# Altium PCB PCB for invertor.PcbDoc (part 1 of 2) (continued)
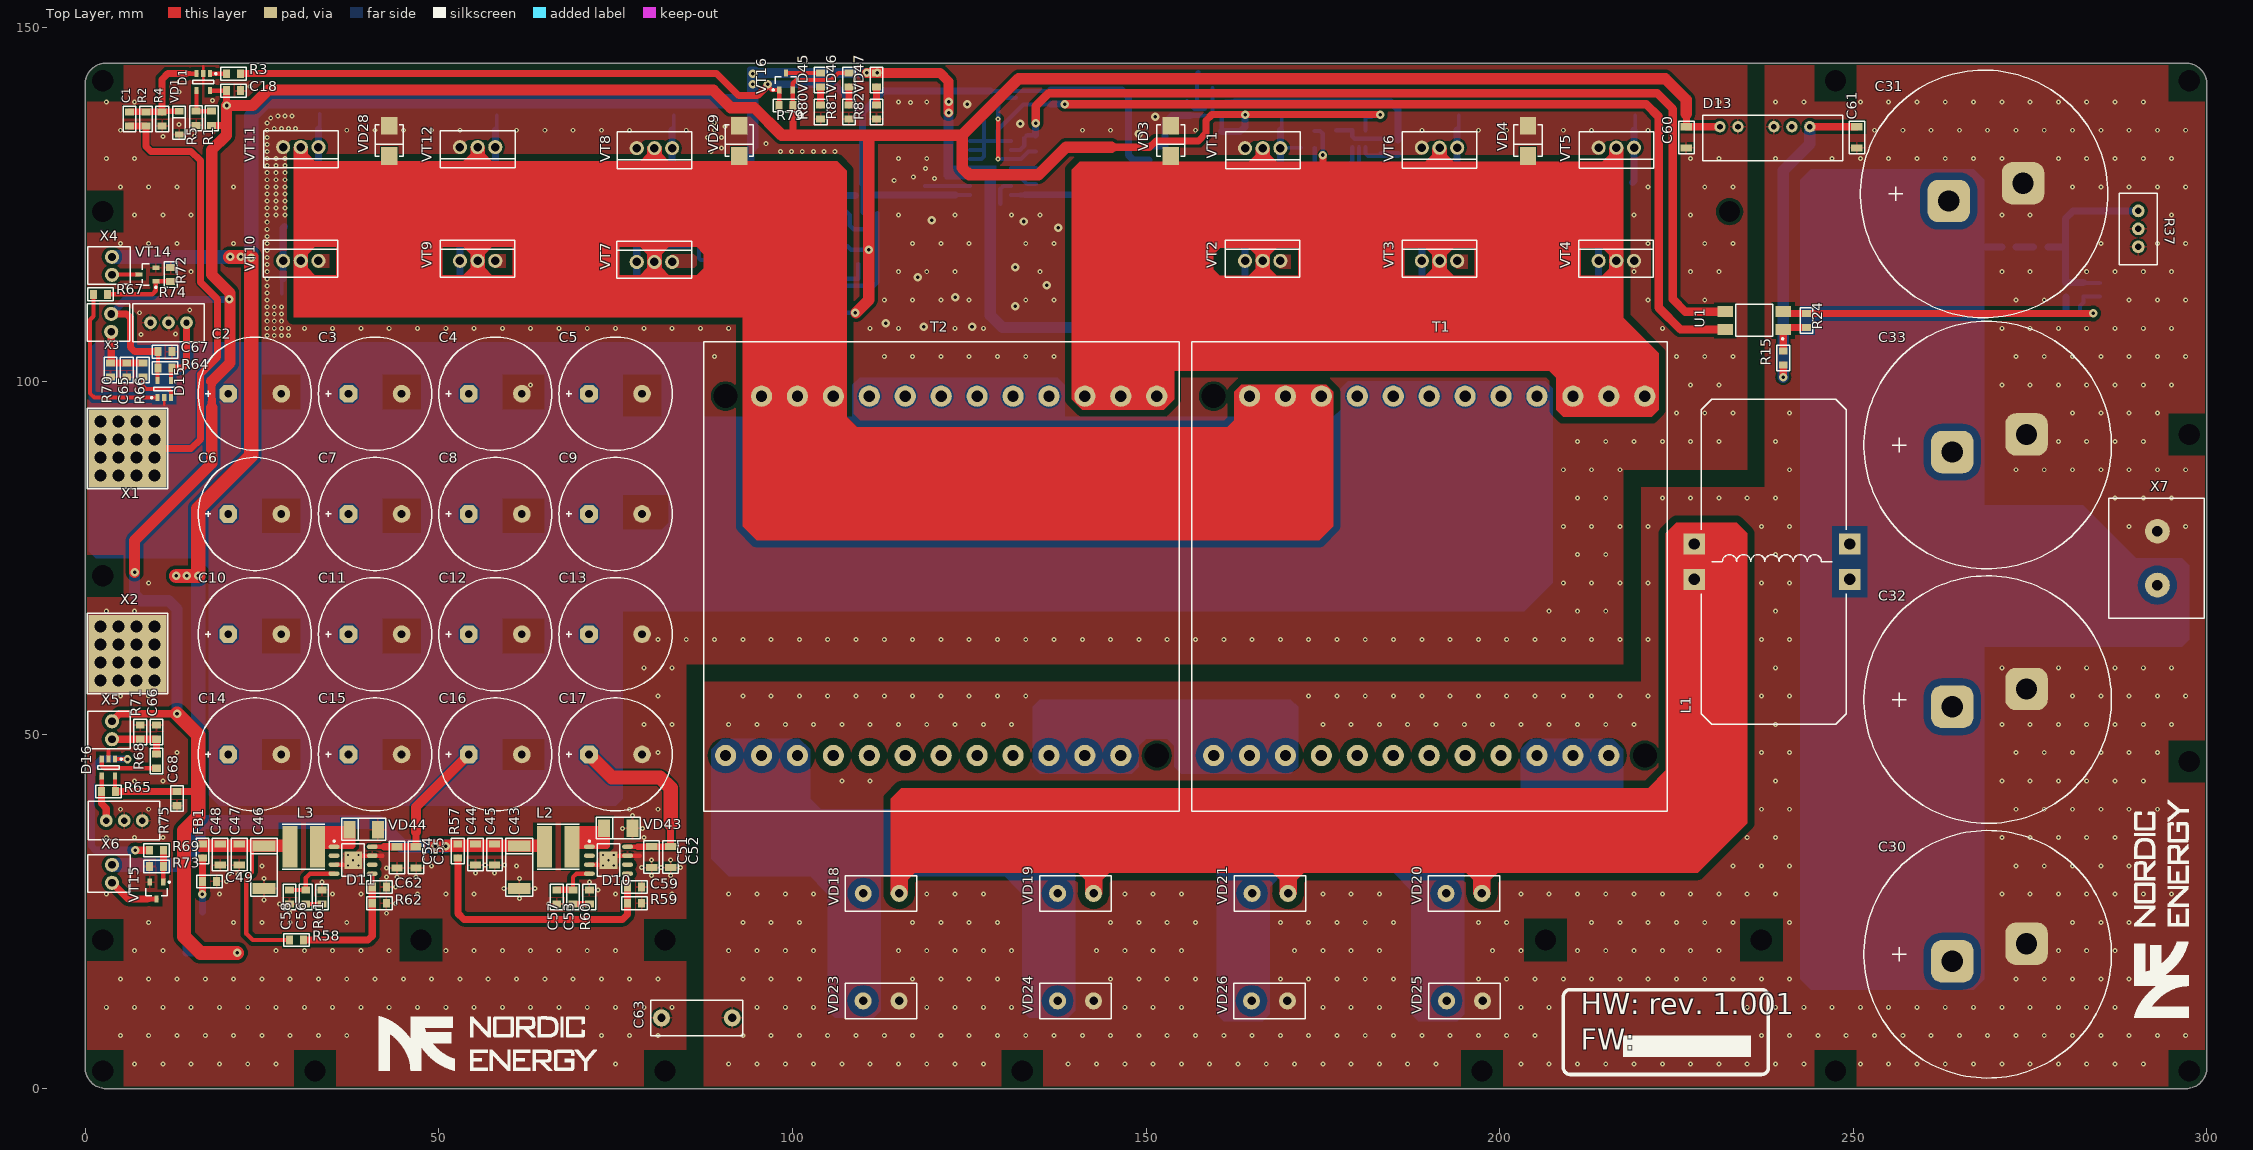
[diagram p0: Top Layer view]
## Components (designator, comment, footprint, x,y, rotation, side; value= is the part's Value field where it differs from the comment) (continued)
R16 "5R1" CH0805R 168,130.5 r180 bottom
R17 "5R1" CH0805R 163,119.5 r180 bottom
R18 "5R1" CH0805R 188,119.5 r180 bottom
R19 "5R1" CH0805R 213,119.4 r180 bottom
R20 "5R1" CH0805R 218,130.5 r180 bottom
R21 "5R1" CH0805R 193,130.5 r180 bottom
R22 "100R" CH0805R 143.4,125.4 r90 bottom
R23 "510k" CH0805R 276.5,119 r0 bottom
R24 "10k" CH0805R 243.4,108.6 r270 top
R25 "10k" CH0805R 148,125.4 r270 bottom
R26 "10k" CH0805R 168,135.5 r0 bottom
R27 "10k" CH0805R 165,114.5 r180 bottom
R28 "10k" CH0805R 190,114.5 r180 bottom
R29 "10k" CH0805R 215,114.5 r180 bottom
R30 "10k" CH0805R 218,135.5 r0 bottom
R31 "10k" CH0805R 193,135.5 r0 bottom
R32 "1k" CH0805R 281.05,109.6 r180 bottom
R33 "13k" CH0805R 109.3,117.6 r90 bottom
R34 "1k" CH0805R 101.2,114.7 r90 bottom
R35 "10k" CH0805R 97.4,114.7 r270 bottom
R36 "10k" CH0805R 281,119 r0 bottom
R37 "10k" "RES: 3296W"#1 290.3,119.02 r90 top
R38 "1k" CH0805R 91.9,119 r0 bottom
R39 "1k" CH0805R 97.4,118.9 r90 bottom
R40 "10k" CH0805R 109.3,113.5 r270 bottom
R41 "100R" CH0805R 111,123.8 r180 bottom
R42 "100R" CH0805R 111,121.5 r0 bottom
R43 "5R1" CH0805R 77,119.5 r180 bottom
R44 "5R1" CH0805R 82,130.5 r180 bottom
R45 "2R2" CH0805R 54,119.5 r0 bottom
R46 "5R1" CH0805R 29,119.5 r0 bottom
R47 "5R1" CH0805R 34,130.5 r0 bottom
R48 "5R1" CH0805R 59,130.5 r0 bottom
R49 "100R" CH0805R 109.9,126.3 r0 bottom
R50 "10k" CH0805R 99,124.375 r90 bottom
R51 "10k" CH0805R 79,114.5 r180 bottom
R52 "10k" CH0805R 82,135.5 r0 bottom
R53 "10k" CH0805R 54,114.5 r180 bottom
R54 "10k" CH0805R 29,114.5 r180 bottom
R55 "10k" CH0805R 32,135.7 r0 bottom
R56 "10k" CH0805R 57,135.5 r0 bottom
R57 "43k" CH0805R 52.7,33.6 r270 top
R58 "20k" CH0805R 29.9,21 r0 top
R59 "4k7" CH0805R 77.7,26.2 r180 top
R60 "4k7" CH0805R 71.3,27.1 r270 top
R61 "4k7" CH0805R 33.5,27.1 r270 top
R62 "4k7" CH0805R 41.6,26.2 r180 top
R63 "10k" CH0805R 136.5,140.2 r90 bottom
R64 "1k" CH0805R 11.3,101.9 r180 top
R65 "1k" CH0805R 3.3,42 r0 top
R66 "1k" CH0805R 8.2,101.6 r90 top
R67 "100R" CH0805R 2.2,112.3 r180 top
R68 "1k" CH0805R 10.1,46.3 r90 top
R69 "100R" CH0805R 10.1,33.7 r180 top
R70 "4k7" CH0805R 3.6,101.6 r90 top
R71 "4k7" CH0805R 7.8,50.4 r270 top
R72 "10k" CH0805R 12.1,115.1 r270 top
R73 "10k" CH0805R 10.1,31.4 r0 top
R74 "10k" "RES: 3296W"#2 9.26,108.3 r0 top
R75 "10k" "RES: 3296W"#1 8.08,37.9 r180 top
R76 "10k" CH0805R 135.4,132.5 r180 bottom
R77 "10k" CH0805R 135.4,127.9 r180 bottom
R78 "4k7" CH0805R 135.4,134.8 r180 bottom
R79 "10k" CH0805R 99.1,139 r180 top
R80 "1k" CH0805R 104,138.1 r270 top
R81 "1k" CH0805R 108,138.1 r270 top
R82 "1k" CH0805R 111.9,138.1 r270 top
R83 "220k" CH2512R 293,61 r270 bottom
T1 "ETD59/31/22" "TRANS: ETD59/31/22" 187.5,72.5 r180 top locked
T2 "ETD59/31/22" "TRANS: ETD59/31/22" 118.5,72.5 r180 top locked
U1 "LTV-817S" 4-SMD 236,108.6 r180 top
VD1 "MMSZ5231B" SOD123 13.3,134.9 r90 top
VD2 "SS24FL" SOD123F 158.6,123.3 r270 bottom
VD3 "SMBJ40A" SMB 153.5,134 r270 top
VD4 "SMBJ40A" SMB 204,134 r270 top
VD5 "SS24FL" SOD123F 167.4,128.1 r180 bottom
VD6 "SS24FL" SOD123F 162.4,121.8 r180 bottom
VD7 "SS24FL" SOD123F 187.4,121.8 r180 bottom
VD8 "SS24FL" SOD123F 212.4,121.7 r180 bottom
VD9 "SS24FL" SOD123F 217.4,128.1 r180 bottom
VD10 "SS24FL" SOD123F 192.4,128.1 r180 bottom
VD11 "SD15C-01FT" SOD323 167.9,137.6 r0 bottom
VD12 "SS24FL" SOD123F 161.1,126.7 r270 bottom
VD13 "SD15C" SOD323 165.1,112.4 r180 bottom
VD14 "SD15C" SOD323 190.1,112.4 r180 bottom
VD15 "SD15C" SOD323 215.1,112.4 r180 bottom
VD16 "SD15C" SOD323 217.9,137.6 r0 bottom
VD17 "SD15C" SOD323 192.9,137.6 r0 bottom
VD18 "HFA15TB60PBF" TO220-2 115.1,27.6 r180 top
VD19 "HFA15TB60PBF" TO220-2 142.58,27.6 r180 top
VD20 "HFA15TB60PBF" TO220-2 197.5,27.6 r180 top
VD21 "HFA15TB60PBF" TO220-2 170.08,27.6 r180 top
VD22 "TL431AIDBZR" SOT23_132#1 286.05,112.95 r0 bottom
VD23 "HFA15TB60PBF" TO220-2 110,12.4 r0 top
VD24 "HFA15TB60PBF" TO220-2 137.5,12.4 r0 top
VD25 "HFA15TB60PBF" TO220-2 192.5,12.4 r0 top
VD26 "HFA15TB60PBF" TO220-2 164.92,12.4 r0 top
VD27 "SS24FL" SOD123F 89,126.7 r90 bottom
VD28 "SMBJ40A" SMB 43,134 r270 top
VD29 "SMBJ40A" SMB 92.5,134 r270 top
VD30 "SS24FL" SOD123F 76.4,121.8 r180 bottom
VD31 "SS24FL" SOD123F 81.4,128.1 r180 bottom
VD32 "SS24FL" SOD123F 54.6,121.9 r0 bottom
VD33 "SS24FL" SOD123F 29.6,121.9 r0 bottom
VD34 "SS24FL" SOD123F 34.6,128.2 r0 bottom
VD35 "SS24FL" SOD123F 59.6,128.2 r0 bottom
VD36 "SD15C-01FT" SOD323 79.1,112.4 r180 bottom
VD37 "SS24FL" SOD123F 86,123.3 r90 bottom
VD38 "SD15C" SOD323 81.9,137.6 r0 bottom
VD39 "SD15C" SOD323 54.1,112.4 r180 bottom
VD40 "SD15C" SOD323 29.1,112.4 r180 bottom
VD41 "SD15C" SOD323 31.9,137.8 r0 bottom
VD42 "SD15C" SOD323 56.9,137.6 r0 bottom
VD43 "STPS2L60A" SMA 75.4,36.8 r180 top
VD44 "STPS2L60A" SMA 39.4,36.6 r180 top
VD45 "RED" CH0805LR 104,142.6 r270 top
VD46 "GREEN" CH0805LR 108,142.6 r270 top
VD47 "GREEN" CH0805LR 111.9,142.6 r270 top
VT1 "IPP083N10N5" TO220_123 166.5,132.969 r180 top locked
VT2 "IPP083N10N5" TO220_123 166.5,117.031 r0 top locked
VT3 "IPP083N10N5" TO220_123 191.5,117.031 r0 top locked
VT4 "IPP083N10N5" TO220_123 216.5,117.031 r0 top locked
VT5 "IPP083N10N5" TO220_123 216.5,133.031 r180 top locked
VT6 "IPP083N10N5" TO220_123 191.5,133.031 r180 top locked
VT7 "IPP083N10N5" TO220_123 80.5,116.881 r0 top locked
VT8 "IPP083N10N5" TO220_123 80.5,132.969 r180 top locked
VT9 "IPP083N10N5" TO220_123 55.5,117.031 r0 top locked
VT10 "IPP083N10N5" TO220_123 30.5,117.031 r0 top locked
VT11 "IPP083N10N5" TO220_123 30.5,133.119 r180 top locked
VT12 "IPP083N10N5" TO220_123 55.5,133.119 r180 top locked
VT13 "BC857BLT1G" SOT23_132#1 132.8,140.1 r180 bottom
VT14 "IRLML0030TRPBF" SOT23_123 8.8,115.1 r180 top
VT15 "IRLML0030TRPBF" SOT23_123 10.1,28 r270 top
VT16 "BC857BLT1G" SOT23_132#2 99.1,142.4 r90 top
X1 "\"Вход +24В\"" "CON: 7461383" 6,90.5 r0 top
X2 "\"Вход -24В\"" "CON: 7461383" 6,61.5 r0 top
X3 "\"Temp №1\"" "CON: WF-02" 3.7,109.54 r270 top
X4 "\"Вентилятор №1\"" "CON: WF-02" 3.8,117.6 r270 top
X5 "\"Temp №2\"" "CON: WF-02" 3.8,51.94 r270 top
X6 "\"Вентилятор №2\"" "CON: WF-02" 3.8,31.64 r270 top
X7 "\"Выход 380В\"" "CON: X977B02" 293,75 r90 top

## Footprints (in the part's own frame and the unit in brackets; to place one, negate y for a bottom-side part, rotate by r counter-clockwise, add the part's x,y. Pads: shape width x height; smd on the part's side, far side on the other; paste and mask are expansions set on the pad)
4-SMD [mm] "SOIC, 4-Leads, Body 4,60x6,50mm, Pitch 1,27mm, IPC Medium Density"
  rect 2.2x1.6 smd: 1(-4.1,1.27) 2(-4.1,-1.27) 3(4.1,-1.27) 4(4.1,1.27)
  round 0.5 on Mech1: 1(-2.1,1.7)
  silkscreen extent -4.13,-2.3 2.6,2.72, body extent -5,-2.29 5,2.29, height 3.85
8-SOIC [mm]
  rrect100% 1.55x0.6 smd: 1(-2.7,1.905) 2(-2.7,0.635) 3(-2.7,-0.635) 4(-2.7,-1.905) 5(2.7,-1.905) 6(2.7,-0.635) 7(2.7,0.635) 8(2.7,1.905)
  round 0.7 on Mech2: 28(-2.395,1.8)
  silkscreen extent -2.82,-2.3 1.61,2.82, body extent -3,-2.45 3,2.45, height 1.75
"8-SOIC (PAD)" [mm]
  round 0.7 hole 0.3: 0(-0.75,-0.75) 0(-0.75,0.75) 0(0,0) 0(0.75,-0.75) 0(0.75,0.75)
  rrect100% 1.55x0.6 smd: 1(-2.7,1.905) 2(-2.7,0.635) 3(-2.7,-0.635) 4(-2.7,-1.905) 5(2.7,-1.905) 6(2.7,-0.635) 7(2.7,0.635) 8(2.7,1.905)
  round 0.7 on Mech1: 28(-2.395,1.8)
  rect 2.5x2.5 smd: " 0"(0,0)
  silkscreen extent -2.82,-2.3 1.61,2.82, body extent -3,-2.45 3,2.45, height 1.75
16-SOIC [mm]
  oval 1.85x0.6 smd: 1(-2.925,4.448) 2(-2.925,3.178) 3(-2.925,1.908) 4(-2.925,0.638) 5(-2.925,-0.632) 6(-2.925,-1.902) 7(-2.925,-3.172) 8(-2.925,-4.442) 9(2.875,-4.442) 10(2.875,-3.172) 11(2.875,-1.902) 12(2.875,-0.632) 13(2.875,0.638) 14(2.875,1.908) 15(2.875,3.178) 16(2.875,4.448)
  round 0.7 on Bottom Overlay: 10(-2.9,5.4)
  round 0.7 on Mech2: 25(-2.5,4.3)
  silkscreen extent -1.75,-4.9 1.7,4.9, body extent -3.09,-5.01 3.04,4.96, height 1.73
"CAP: B32021" [mm]
  round 2.4 hole 1.2: 1(-5,0) 2(5,0)
  silkscreen extent -6.5,-2.5 6.5,2.5, body extent -6.5,-2.5 6.5,2.5, height 10.7
CH0805C [mm] "Chip Capacitor, 2-Leads, Body 2,00x1,20mm, IPC Medium Density"
  rect 1x1.25 smd: 1(-1,0) 2(1,0)
  silkscreen extent -1.8,-0.9 1.8,0.9, body extent -1,-0.62 1,0.63, height 0.78
CH0805L [mm]
  rect 1x1.25 smd: 1(-1,0) 2(1,0)
  silkscreen extent -1.8,-0.9 1.8,0.9, body extent -1,-0.62 1,0.63, height 0.85
CH0805LR [mm]
  rect 1x1.25 smd: 1(-1,0) 2(1,0)
  silkscreen extent -1.8,-0.9 1.8,0.9, body extent -1.05,-0.67 1.05,0.68, height 0.9
CH0805R [mm]
  rect 1x1.25 smd: 1(-1,0) 2(1,0)
  silkscreen extent -1.8,-0.9 1.8,0.9, body extent -1,-0.6 1,0.6, height 0.44
CH1206C [mm] "Non polar chip capacitor, size 1206"
  rect 1x1.6 smd: 1(-1.5,0) 2(1.5,0)
  silkscreen extent -2.3,-1.1 2.3,1.1, body extent -1.6,-0.8 1.6,0.8, height 1
CH2512R [mm]
  rect 1x3.3 smd: 1(-3.1,0) 2(3.1,0)
  silkscreen extent -3.85,-1.9 3.85,1.9, body extent -3.17,-1.6 3.18,1.6, height 0.52
"CON: 7461383" [mm]
  round 3 hole 1.7: 1(-3.81,-3.81) 1(-3.81,-1.27) 1(-3.81,1.27) 1(-3.81,3.81) 1(-1.27,-3.81) 1(-1.27,-1.27) 1(-1.27,1.27) 1(-1.27,3.81) 1(1.27,-3.81) 1(1.27,-1.27) 1(1.27,1.27) 1(1.27,3.81) 1(3.81,-3.81) 1(3.81,-1.27) 1(3.81,1.27) 1(3.81,3.81)
  rect 11x11 smd: 1(0,0)
  silkscreen extent -5.7,-5.7 5.7,5.7, body extent -4.5,-4.5 4.5,4.5, height 12.5
"CON: WF-02" [mm]
  round 2 hole 1.1: 1(0,0) 2(2.54,0)
  round 0.5 on Mech1: ""(-0.8,2)
  silkscreen extent -1.4,-3.4 3.9,2.6, body extent -1.3,-3.3 3.78,2.5, height 11.5
"CON: X977B02" [mm]
  round 3.5 hole 1.5: 1(-3.81,0) 2(3.81,0)
  silkscreen extent -8.5,-6.6 8.5,6.9, body extent -8.37,-6.48 8.37,6.75, height 14.8
D16C7.5H25 [mm] "Polar capacitor, diameter 16 mm, leads clearance 7.5 mm, height 25 mm"
  oct 2.5x2.5 hole 1.1: 1(-3.75,0)
  round 2.5 hole 1.1: 2(3.75,0)
  silkscreen extent -8,-8 8,8, body extent -8.25,-8.25 8.25,8.25, height 27
D35C10.5H50 [mm]
  rrect50% 6x6 hole 3: 1(0,0) 2(10.5,2.5)
  silkscreen extent -12.5,-16.5 22.5,18.5, body extent -15.76,-19.76 25.76,21.76, height 46.7
"IND: R46" [mm]
  rect 3x3 hole 1.6: 1(0,-2.5) 1(0,2.5) 2(22,-2.5) 2(22,2.5)
  silkscreen extent 1,-23 21.5,23, body extent 0.37,-24.51 22,24.51, height 48.95
"IND: SDR0604" [mm]
  rect 2.1x5.8 smd: 1(-1.95,0) 2(1.95,0)
  silkscreen extent -3,-3.2 3,3.2, body extent -2.9,-2.9 2.9,2.9, height 4.8
"MOD: TMA-0505S" [mm]
  round 1.6 hole 0.8: 1(-6.35,0) 2(-3.81,0) 4(1.27,0) 5(3.81,0) 6(6.35,0)
  round 0.5 on Top Overlay: ""(-9.3,1)
  round 0.5 on Mech1: ""(-8.21,1)
  silkscreen extent -8.8,-4.8 11,1.6, body extent -8.66,-4.67 10.84,1.45, height 10.2
"RES: 3296W"#1 [mm]
  round 1.8 hole 0.9: 1(0,0) 2(2.54,0) 3(5.08,0)
  round 0.5 on Top Overlay: 4(-3,2.5)
  silkscreen extent -2.5,-2.7 7.6,2.7, body extent -2.22,-2.4 7.31,2.4, height 11.55
"RES: 3296W"#2 [mm]
  round 1.8 hole 0.9: 1(0,0) 2(2.54,0) 3(5.08,0)
  round 0.5 on Top Overlay: 4(-2.16,3.2)
  silkscreen extent -2.5,-2.7 7.6,2.7, body extent -2.22,-2.4 7.31,2.4, height 11.55
SMA [mm]
  rect 1.7x2.5 smd: 1(-2,0) 2(2,0)
  round 0.5 on Mech1: ""(2,0.9)
  silkscreen extent -3.1,-1.6 3.1,1.5, body extent -2.5,-1.35 2.5,1.35, height 2.28
SMB [mm]
  rect 2.5x2.3 smd: 1(-2.15,0) 2(2.15,0)
  round 0.5 on Top Overlay: ""(2.7,1.8)
  silkscreen extent -2.3,-2 2.2,2, body extent -2.75,-1.95 2.75,1.95, height 2.45
SOD123 [mm]
  rect 0.91x1.22 smd: 1(0,0) 2(3.275,0)
  round 0.5 on Mech1: 4(3,0.4)
  silkscreen extent -0.7,-0.9 4,0.9, body extent -0.25,-0.8 3.45,0.8, height 1.25
SOD123F [mm] "Schottky Diode, 2-Leads, Body 3x2mm, 0.4W"
  rect 1.5x1 smd: 1(-1.375,0) 2(1.375,0)
  round 0.5 on Mech2: ""(1.5,0.5)
  silkscreen extent -2.4,-0.9 2.4,1, body extent -1.87,-0.85 1.88,0.85, height 1.23
SOD323 [mm]
  rect 0.85x0.5 smd: 1(-1.3,0) 2(1.3,0)
  round 0.5 on Mech2: 5(0.7,0.2)
  silkscreen extent -1.9,-0.7 1.9,0.7, body extent -1.15,-0.6 1.15,0.6, height 1.04
SOT23-5#1 [mm] "SOT23, 5-Leads, Body 2,90x2,80mm, Pitch 0,95mm, IPC Medium Density"
  rect 1x0.6 smd: 1(-1.2,0.95) 2(-1.2,0) 3(-1.2,-0.95) 4(1.2,-0.95) 5(1.2,0.95)
  round 0.5 on Mech1: ""(-1.1,1.1)
  silkscreen extent -1.32,-1.5 0.25,1.93, body extent -1.5,-1.5 1.5,1.5, height 1.3
SOT23-5#2 [mm] "SOT23, 5-Leads, Body 2,90x2,80mm, Pitch 0,95mm, IPC Medium Density"
  rect 1x0.6 smd: 1(-1.2,0.95) 2(-1.2,0) 3(-1.2,-0.95) 4(1.2,-0.95) 5(1.2,0.95)
  round 0.5 on Mech2: ""(-1.1,1.1)
  silkscreen extent -1.32,-1.5 0.25,1.92, body extent -1.5,-1.5 1.5,1.5, height 1.3
SOT23_123 [mm] "SOT23, 3-Leads, Body 3,0x2,6mm (max), Pitch 0,95mm, IPC Medium Density"
  rect 1x0.6 smd: 1(-1.2,0.95) 2(1.2,0) 3(-1.2,-0.95)
  round 0.5 on Mech1: ""(-0.9,1.1)
  silkscreen extent -1.33,-1.5 0.7,1.92, body extent -1.32,-1.52 1.32,1.52, height 1.12
SOT23_132#1 [mm] "SOT23, 3-Leads, Body 3,0x2,6mm (max), Pitch 0,95mm, IPC Medium Density"
  rect 1x0.6 smd: 1(-1.2,0.95) 2(-1.2,-0.95) 3(1.2,0)
  round 0.5 on Mech2: ""(-0.9,1.1)
  silkscreen extent -1.32,-1.5 0.7,1.92, body extent -1.32,-1.52 1.32,1.52, height 1.12
SOT23_132#2 [mm] "SOT23, 3-Leads, Body 3,0x2,6mm (max), Pitch 0,95mm, IPC Medium Density"
  rect 1x0.6 smd: 1(-1.2,0.95) 2(-1.2,-0.95) 3(1.2,0)
  round 0.5 on Mech1: ""(-0.9,1.1)
  silkscreen extent -1.32,-1.5 0.7,1.92, body extent -1.32,-1.52 1.32,1.52, height 1.12
SOT223 [mm] "SOT223, 4-Leads, Body 6,50x7,00mm (avg), Pitch 2,30mm, IPC Medium Density"
  rect 2.4x1 smd: 1(-2.9,2.3) 2(-2.9,0) 3(-2.9,-2.3)
  rect 2.4x3.3 smd: 4(2.9,0)
  round 0.5 on Mech2: ""(-3,2.7)
  silkscreen extent -3.02,-3.2 1.3,3.47, body extent -3.48,-3.25 3.48,3.25, height 1.65
TANTAL_C#1 [mm]
  rect 1.6x3.2 smd: 1(-3,0) 2(3,0)
  round 0.5 on Mech2: ""(-2.5,1.1)
  silkscreen extent -4.1,-1.9 4.1,1.9, body extent -3.05,-1.67 3.05,1.68, height 2.7
TANTAL_C#2 [mm]
  rect 1.6x3.2 smd: 1(-3,0) 2(3,0)
  round 0.5 on Mech1: ""(-2.5,1.1)
  silkscreen extent -4.1,-1.9 4.1,1.9, body extent -3.05,-1.67 3.05,1.68, height 2.7
TO220-2 [mm]
  round 2.4 hole 1.2: 1(5.08,0) 2(0,0)
  round 0.5 on Mech1: 6(-1.8,-1.75)
  silkscreen extent -2.5,-2.5 7.6,2.5, body extent -2.28,-2.25 7.38,2.25, height 20.3
TO220_123 [mm] "Generic TO-220 case, stay variant"
  round 2 hole 1.2: 1(-2.5,0) 2(0,0) 3(2.5,0)
  silkscreen extent -5.29,-2.29 5.25,2.92, body extent -5.1,-2.02 5.1,2.68, height 19.85
"TRANS: ETD59/31/22" [mm]
  round 3 hole 1.6: 1(-33.02,-25.4) 1(-27.94,-25.4) 1(-22.86,-25.4) 2(-17.78,-25.4) 2(-12.7,-25.4) 2(-7.62,-25.4) 2(-2.54,-25.4) 2(2.54,-25.4) 2(7.62,-25.4) 3(12.7,-25.4) 3(17.78,-25.4) 3(22.86,-25.4) 4(17.78,25.4) 4(22.86,25.4) 4(27.94,25.4) 5(-12.7,25.4) 5(-7.62,25.4) 5(-2.54,25.4) 5(2.54,25.4) 5(7.62,25.4) 5(12.7,25.4) 6(-27.94,25.4) 6(-22.86,25.4) 6(-17.78,25.4)
  round 0.5 on Mech1: ""(-35,-32)
  round 0.5 on Top Overlay: ""(-35,-32)
  round 3 hole 3.4: ""(-33.02,25.4) ""(27.94,-25.4)
  silkscreen extent -36.2,-33.1 31,33.3, body extent -36.04,-32.95 30.86,33.15, height 51.38

## Part data
C1 C18 C19 C20 C21 C22 C23 C24 C25 C28 C29 C34 C35 C36 C37 C38 C39 C40 C44 C45 C47 C48 C49 C50 C51 C52 C53 C54 C55 C56 C57 C58 C59 C60 C61 C62 C64 C65 C66 C67 C68 C69 C70: library part Capacitor, Manufacturer=Yageo
  C1 C19 C21 C34 C36: ComponentKind=X7R, HelpURL=https://www.digikey.com/product-detail/en/yageo/CC0805KRX7R9BB471/311-1124-1-ND/303034, Model=CC0805KRX7R9BB471
  C18 C20 C22 C24 C28 C35 C37 C39 C49 C50 C67 C68: ComponentKind=X7R, HelpURL=https://www.digikey.com/product-detail/en/yageo/CC0805KRX7R8BB104/311-1141-1-ND/303051, Model=CC0805KRX7R8BB104
  C23 C38 C65 C66 C70: ComponentKind=X7R, HelpURL=https://www.digikey.com/product-detail/en/yageo/CC0805KRX7R9BB102/311-1127-1-ND/303037, Model=CC0805KRX7R9BB102
  C25 C40 C69: ComponentKind=X7R, HelpURL=https://www.digikey.com/product-detail/en/yageo/CC0805KKX7R8BB105/311-1456-1-ND/2833762, Model=CC0805KKX7R8BB105
  C29: ComponentKind=X7R, HelpURL=https://www.digikey.com/product-detail/en/yageo/CC0805KKX7R7BB334/311-1882-1-ND/5195784, Model=CC0805KKX7R7BB334
  C44 C45 C47 C48 C60 C61: ComponentKind=X5R, HelpURL=https://www.digikey.com/product-detail/en/yageo/CC1206MKX5R7BB226/311-1997-1-ND/5195899, Model=CC1206MKX5R7BB226
  C51 C52 C54 C55: ComponentKind=X5R, HelpURL=https://www.digikey.com/product-detail/en/yageo/CC1206KKX5R9BB106/311-3449-1-ND/7164470, Model=CC1206KKX5R9BB106
  C53 C56: ComponentKind=X7R, HelpURL=https://www.digikey.com/product-detail/en/yageo/CC0805KRX7R9BB223/311-1138-1-ND/303048, Model=CC0805KRX7R9BB223
  C57 C58 C59 C62: ComponentKind=X7R, HelpURL=https://www.digikey.com/product-detail/en/yageo/CC0805KRX7R9BB221/311-1123-1-ND/303033, Model=CC0805KRX7R9BB221
  C64: ComponentKind=X5R, HelpURL=https://www.digikey.com/product-detail/en/yageo/CC0805KKX5R7BB106/311-1865-1-ND/5195767, Model=CC0805KKX5R7BB106
C2 C3 C4 C5 C6 C7 C8 C9 C10 C11 C12 C13 C14 C15 C16 C17: library part AlumCap, Manufacturer=Epcos, ComponentKind=35V, HelpURL=https://www.digikey.com/products/en?keywords=B41851F7228M000, Model=B41851F7228M000
C26 C27 C41 C42 C43 C46: library part TantalCap, Manufacturer="Vishay Sprague", ComponentKind=25V, HelpURL=https://www.digikey.com/product-detail/en/vishay-sprague/TR3C106K025C0300/718-1508-1-ND/1859983, Model=TR3C106K025C0300
C30 C31 C32 C33: library part AlumCap, Manufacturer=EPCOS, ComponentKind=400V, HelpURL=https://www.digikey.com/products/en?keywords=B43305B9687M000, Model=B43305B9687M000
C63: library part Capacitor, Manufacturer="EPCOS (TDK)", ComponentKind=Y2, HelpURL=https://www.digikey.com/product-detail/en/epcos-tdk/B32021A3472M000/495-4082-ND/2045205, Model=B32021A3472M
D1 D2 D6 D15 D16: "Comparator", Manufacturer="Microchip Technology", ComponentKind=SOT-23, HelpURL=https://www.digikey.com/product-detail/en/microchip-technology/MCP6541T-I-OT/MCP6541T-I-OTCT-ND/3622387, Model=MCP6541T-I/OT
D3 D7: "OP amplifier", Manufacturer="Microchip Technology", ComponentKind=SOT23-5, HelpURL=https://www.digikey.com/product-detail/en/microchip-technology/MCP6001T-I-OT/MCP6001T-I-OTCT-ND/697158, Model=MCP6001T-I/OT
D4 D8: "Sensor", Manufacturer="Infineon Technologies", ComponentKind=SOT23-5, HelpURL=https://www.digikey.com/product-detail/en/infineon-technologies/IR25750LTRPBF/IR25750LTRPBFCT-ND/4743688, Model=IR25750LTRPBF
D5 D9: "Low driver", Manufacturer="Texas Instruments", ComponentKind=8-SOIC, HelpURL=https://www.digikey.com/product-detail/en/texas-instruments/UCC37322D/296-13687-5-ND/509719, Model=UCC27322D
D10 D11: "Step-down", Manufacturer=STMicroelectronics, ComponentKind=8-SOIC, HelpURL=https://www.digikey.com/product-detail/en/stmicroelectronics/L5973AD/497-4565-5-ND/585938, Model=L5973AD
D12: library part NCP1117LPST50T3G, "LDO", Manufacturer="ON Semiconductor", ComponentKind=SOT-223, HelpURL=https://www.digikey.com/product-detail/en/on-semiconductor/NCP1117ST50T3G/NCP1117ST50T3GOSCT-ND/1967217, Model=NCP1117ST50T3G
D13: "Isolator DC", Manufacturer="Traco Power", ComponentKind=1W, HelpURL=https://www.chipdip.ru/product/tma0505s, Model=TMA-0505S
D14: "PWM", Manufacturer="Texas Instruments", ComponentKind=16-SOIC, HelpURL=https://www.digikey.com/product-detail/en/texas-instruments/TL598CDR/296-36983-1-ND/4428929, Model=TL598CDR
FB1: library part Inductor, Manufacturer="Murata Electronics North America", ComponentKind=0805, HelpURL=https://www.digikey.com/product-detail/en/murata-electronics-north-america/BLM21PG121SN1D/490-5986-1-ND/3845186, Model=BLM21PG121SN1D
L1: library part "Inductor ring", Manufacturer=Magnetics, ComponentKind="60 ?", HelpURL=http://ferrite.ru/warehouse/r-46-724-118-77439-a7.html, Model=0077439A7
L2 L3: library part Inductor, Manufacturer="Bourns Inc.", ComponentKind=SDR0604, HelpURL=https://www.digikey.com/product-detail/en/bourns-inc/SDR0604-220YL/SDR0604-220YLCT-ND/2127110, Model=SDR0604-220YL
R1 R2 R3 R4 R5 R6 R7 R8 R9 R10 R11 R12 R13 R14 R15 R16 R17 R18 R19 R20 R21 R22 R23 R24 R25 R26 R27 R28 R29 R30 R31 R32 R33 R34 R35 R36 R38 R39 R40 R41 R42 R43 R44 R45 R46 R47 R48 R49 R50 R51 R52 R53 R54 R55 R56 R57 R58 R59 R60 R61 R62 R63 R64 R65 R66 R67 R68 R69 R70 R71 R72 R73 R76 R77 R78 R79 R80 R81 R82 R83: library part Resistor, Manufacturer=Yageo
  R1: ComponentKind=±1%, HelpURL=https://www.digikey.com/product-detail/en/yageo/RC0805FR-075K6L/311-5.60KCRCT-ND/730949, Model=RC0805FR-075K6L
  R2: ComponentKind=±1%, HelpURL=https://www.digikey.com/product-detail/en/yageo/RC0805FR-07100KL/311-100KCRCT-ND/730491, Model=RC0805FR-07100KL
  R3 R12 R13 R22 R41 R42 R49 R67 R69: ComponentKind=0805, HelpURL=https://www.digikey.com/product-detail/en/yageo/RC0805JR-07100RL/311-100ARCT-ND/731185, Model=RC0805JR-07100RL
  R4 R8 R11 R35 R36 R40: ComponentKind=±1%, HelpURL=https://www.digikey.com/product-detail/en/yageo/RC0805FR-0710KL/311-10.0KCRCT-ND/730482, Model=RC0805FR-0710KL
  R5: ComponentKind=±1%, HelpURL=https://www.digikey.com/product-detail/en/yageo/RC0805FR-073K3L/311-3.30KCRCT-ND/730760, Model=RC0805FR-073K3L
  R6 R33: ComponentKind=±1%, HelpURL=https://www.digikey.com/product-detail/en/yageo/RC0805FR-0713KL/311-13.0KCRCT-ND/730531, Model=RC0805FR-0713KL
  R7 R9 R32 R34 R38 R66 R68 R80 R81 R82: ComponentKind=0805, HelpURL=https://www.digikey.com/product-detail/en/yageo/RC0805JR-071KL/311-1.0KARCT-ND/731165, Model=RC0805JR-071KL
  R10 R39 R64 R65: ComponentKind=±1%, HelpURL=https://www.digikey.com/product-detail/en/yageo/RC0805FR-071KL/311-1.00KCRCT-ND/730391, Model=RC0805FR-071KL
  R14 R23: ComponentKind=±1%, HelpURL=https://www.digikey.com/product-detail/en/yageo/RC0805FR-07510KL/311-510KCRCT-ND/730964, Model=RC0805FR-07510KL
  R15: ComponentKind=0805, HelpURL=https://www.digikey.com/product-detail/en/yageo/RC0805JR-07220RL/311-220ARCT-ND/731230, Model=RC0805JR-07220RL
  R16 R17 R18 R19 R20 R21 R43 R44 R46 R47 R48: ComponentKind=0805, HelpURL=https://www.digikey.com/product-detail/en/yageo/RC0805FR-075R1L/YAG3373CT-ND/5962195, Model=RC0805FR-075R1L
  R24 R25 R26 R27 R28 R29 R30 R31 R50 R51 R52 R53 R54 R55 R56 R63 R72 R73 R76 R77 R79: ComponentKind=0805, HelpURL=https://www.digikey.com/product-detail/en/yageo/RC0805JR-0710KL/311-10KARCT-ND/731188, Model=RC0805JR-0710KL
  R45: ComponentKind=0805, HelpURL=https://www.digikey.com/product-detail/en/yageo/RC0805JR-072R2L/311-2.2ARCT-ND/731217, Model=RC0805JR-072R2L
  R57: ComponentKind=±1%, HelpURL=https://www.digikey.com/product-detail/en/yageo/RC0805FR-0743KL/311-43.0KCRCT-ND/730900, Model=RC0805FR-0743KL
  R58: ComponentKind=±1%, HelpURL=https://www.digikey.com/product-detail/en/yageo/RC0805FR-0720KL/311-20.0KCRCT-ND/730667, Model=RC0805FR-0720KL
  R59 R60 R61 R62 R70 R71 R78: ComponentKind=±1%, HelpURL=https://www.digikey.com/product-detail/en/yageo/RC0805FR-074K7L/311-4.70KCRCT-ND/730876, Model=RC0805FR-074K7L
  R83: ComponentKind=2512, HelpURL=https://www.digikey.com/products/en?keywords=RC2512JK-07150KL%20, Model=RC2512JK-07150KL
R37 R74 R75: library part "ADJ resistor", Manufacturer="Bourns Inc.", ComponentKind=3296W, HelpURL=https://www.digikey.com/product-detail/en/bourns-inc/3296W-1-103LF/3296W-103LF-ND/1088045, Model=3296W-1-103LF
T1 T2: library part Push-Pull, "Impulse", Manufacturer=Epcos, ComponentKind=N87, HelpURL=http://ferrite.ru/warehouse/etd-59-31-22-serdechnik-b66397g0000x187.html, Model=ETD59/31/22
U1: library part Optoisolator, Manufacturer="Lite-On Inc.", ComponentKind=4-SMD, HelpURL=https://www.digikey.com/product-detail/en/lite-on-inc/LTV-817S/160-1367-5-ND/385837, Model=LTV-817S
VD1 VD3 VD4 VD28 VD29: library part "Diod Zener", Manufacturer="Fairchild/ON Semiconductor"
  VD1: ComponentKind=SOD-123, HelpURL=https://www.digikey.com/product-detail/en/fairchild-on-semiconductor/MMSZ5231B/MMSZ5231BFSCT-ND/2053137, Model=MMSZ5231B
  VD3 VD4 VD28 VD29: ComponentKind=SMB, HelpURL=https://www.digikey.com/product-detail/en/fairchild-on-semiconductor/SMBJ40A/SMBJ40AFSTR-ND/1049528, Model=SMBJ40A
VD2 VD5 VD6 VD7 VD8 VD9 VD10 VD12 VD27 VD30 VD31 VD32 VD33 VD34 VD35 VD37: library part "Diod Schottky", Manufacturer="Fairchild/ON Semiconductor", ComponentKind=SOD-123F, HelpURL=https://www.digikey.com/product-detail/en/fairchild-on-semiconductor/SS24FL/SS24FLCT-ND/5305093, Model=SS24FL
VD11 VD13 VD14 VD15 VD16 VD17 VD36 VD38 VD39 VD40 VD41 VD42: library part TVS-diod, Manufacturer="Littelfuse Inc.", ComponentKind=SOD-323, HelpURL=https://www.digikey.com/product-detail/en/littelfuse-inc/SD15C-01FTG/F6444CT-ND/5019598, Model=SD15C-01FTG
VD18 VD19 VD20 VD21 VD23 VD24 VD25 VD26: library part Diod, Manufacturer="Infineon Technologies", ComponentKind=TO-220AC, HelpURL=https://www.digikey.com/product-detail/en/infineon-technologies/HFA15TB60PBF/IRHFA15TB60PBF-ND/5180758, Model=HFA15TB60PBF
VD22: library part "Program Zener", Manufacturer="Texas Instruments", ComponentKind=SOT-23, HelpURL=https://www.digikey.com/product-detail/en/texas-instruments/ATL431AIDBZR/296-42083-1-ND/5252836, Model=TL431AIDBZR
VD43 VD44: library part "Diod Schottky", Manufacturer=STMicroelectronics, ComponentKind=SMA, HelpURL=https://www.digikey.com/product-detail/en/stmicroelectronics/STPS2L60A/497-2461-1-ND/603843, Model=STPS2L60A
VD45 VD46 VD47: library part LED, Manufacturer="Wurth Electronics Inc.", ComponentKind=0805
  VD45: HelpURL=https://www.digikey.com/product-detail/en/wurth-electronics-inc/150080RS75000/732-4984-1-ND/4489916, Model=150080RS75000
  VD46 VD47: HelpURL=https://www.digikey.com/product-detail/en/wurth-electronics-inc/150080VS75000/732-4986-1-ND/4489922, Model=150080VS75000
VT1 VT2 VT3 VT4 VT5 VT6 VT7 VT8 VT9 VT10 VT11 VT12 VT14 VT15: library part N-chanel, "Mosfet", Manufacturer="Infineon Technologies"
  VT1 VT2 VT3 VT4 VT5 VT6 VT7 VT8 VT9 VT10 VT11 VT12: ComponentKind=TO-220, HelpURL=https://www.digikey.com/product-detail/en/infineon-technologies/IPP083N10N5AKSA1/IPP083N10N5AKSA1-ND/5960342, Model=IPP083N10N5AKSA1
  VT14 VT15: ComponentKind=SOT-23, HelpURL=https://www.digikey.com/product-detail/en/infineon-technologies/IRLML0030TRPBF/IRLML0030TRPBFCT-ND/2202231, Model=IRLML0030TRPBF
VT13 VT16: library part PNP, "Bipolar", Manufacturer="ON Semiconductor", ComponentKind=PNP, HelpURL=https://www.digikey.com/product-detail/en/on-semiconductor/BC857BLT1G/BC857BLT1GOSCT-ND/917843, Model=BC857BLT1G
X1 X2: library part 1-Connector, Manufacturer="Wurth Electronics Inc.", ComponentKind=160А, HelpURL=https://www.digikey.com/products/en?keywords=7461383, Model=7461383
X3 X4 X5 X6: library part 2-Connector, Model=WF-02
X7: library part 2-Connector, Manufacturer=Ningbo, ComponentKind=10А, HelpURL=https://www.chipdip.ru/product/x977b02, Model=X977B02

## Free pads (board coordinates)
  round 0 hole 3: ""(2.5,21) ""(2.5,72.5) ""(2.5,124) ""(2.5,2.5) ""(2.5,142.5) ""(32.5,2.5) ""(47.5,21) ""(82,2.5) ""(82,21) ""(132.5,2.5) ""(197.5,2.5) ""(206.5,21) ""(232.5,124) ""(237,21) ""(247.5,2.5) ""(247.5,142.5) ""(297.5,2.5) ""(297.5,46.25) ""(297.5,92.5) ""(297.5,142.5)

## Via types
v1: diameter 0.7, hole 0.3, Top Layer to Bottom Layer, tented both sides, 889 vias
v2: diameter 1.2, hole 0.5, Top Layer to Bottom Layer, tented both sides, 47 vias

## Nets (pads, with @x,y where several pads share a name; then routed paths per layer and width w, separated by ;. In a path a pad name is that pad's centre, name@x,y a point inside that pad or via, vN(x,y) a via of type N, cw(c..) or ccw(c..) an arc to the next point about the centre after c; other vN are vias at no path point)
GND: "D10. 0" "D11. 0" C2.2 C3.2 C4.2 C5.2 C6.2 C7.2 C8.2 C9.2 C10.2 C11.2 C12.2 C13.2 C14.2 C15.2 C16.2 C17.2 C18.1 C19.2 C20.1 C21.2 C22.1 C23.1 C24.1 C25.1 C26.2 C27.2 C34.2 C35.1 C36.2 C37.1 C38.1 C39.1 C40.1 C41.2 C42.2 C43.2 C44.1 C45.1 C46.2 C47.1 C48.1 C49.1 C50.1 C51.1 C52.1 C54.1 C55.1 C57.1 C58.1 C59.1 C60.1 C62.1 C63.1 C65.1 C66.1 C67.1 C68.1 C69.1 C70.1 D1.2 D2.2 D3.2 D4.4 D5.4 D5.5 D6.2 D7.2 D8.4 D9.4 D9.5 D10.0 D10.3 D10.7 D11.0 D11.3 D11.7 D12.1 D13.2 D14.1 D14.7 D14.10@125.125,127.628 D14.16 D15.2 D16.2 R4.2 R5.2 R10.2 R11.2 R25.1 R26.1 R27.1 R28.1 R29.1 R30.1 R31.1 R39.2 R40.2 R50.1 R51.1 R52.1 R53.1 R54.1 R55.1 R56.1 R59.1 R60.1 R61.1 R62.1 R70.1 R71.1 R72.1 R73.1 R74.1 R74.2 R75.1 R75.2 R76.1 R77.1 R78.1 R80.2 R81.2 R82.2 VD1.1 VD3.1 VD4.1 VD11.1 VD12.1 VD13.1 VD14.1 VD15.1 VD16.1 VD17.1 VD28.1 VD29.1 VD36.1 VD37.1 VD38.1 VD39.1 VD40.1 VD41.1 VD42.1 VD43.1 VD44.1 VT1.3 VT2.3 VT3.3 VT4.3 VT5.3 VT6.3 VT7.3 VT8.3 VT9.3 VT10.3 VT11.3 VT12.3 VT14.3 VT15.3 X2.1 | length 43.4
  Top Layer w0.4: 11.2,96.7 D15.2@11.2,97.7 ; 16.7,142.3 D1.2@16.7,143.5 16.7,144.5
  Top Layer w0.6: D16.2@3.3,46.6 3.3,47.7 ; D11.3@35.5,31.66 37.565,31.66 38.835,32.93 D11.7@40.6,32.93 42.07,32.93 ; D10.3@71.3,31.66 73.365,31.66 D10.0@74,32.295 ; D10.0@73.947,32.347 74.585,32.985 74.75,32.985 74.805,32.93 D10.7@76.7,32.93 78.43,32.93
  Bottom Layer w0.6: 91.1,113.7 D7.2@92.9,113.7 ; 91.4,122.4 D9.5@91.4,123.095 ; 91.862,117.787 91.9,117.825 91.9,120.7 ; 106,112 D6.2@106,113.3 ; 118.772,127.628 D14.10@125.125,127.628 ; 129.4,125.1 129.4,127.2 129.828,127.628 D14.7@130.925,127.628 ; 155.8,139.6 156.85,138.55 D2.2@158.3,138.55 ; D5.5@155.9,126.905 155.9,127.9 ; 180.1,129.6 D3.2@180.1,133.1
  other v1: 7,3.5 11,3.5 15,3.5 19,3.5 23,3.5 27,3.5 75,3.5 5,7.5 9,7.5 13,7.5 17,7.5 21,7.5 25,7.5 29,7.5 33,7.5 37,7.5 73,7.5 77,7.5 81,7.5 3,11.5 7,11.5 11,11.5 15,11.5 19,11.5 23,11.5 27,11.5 31,11.5 35,11.5 39,11.5 43,11.5 47,11.5 51,11.5 55,11.5 59,11.5 63,11.5 67,11.5 71,11.5 75,11.5 79,11.5 83,11.5 5,15.5 9,15.5 13,15.5 17,15.5 21,15.5 25,15.5 29,15.5 33,15.5 37,15.5 41,15.5 45,15.5 49,15.5 53,15.5 57,15.5 61,15.5 65,15.5 69,15.5 73,15.5 77,15.5 81,15.5 7,19.5 11,19.5 27,19.5 31,19.5 35,19.5 39,19.5 43,19.5 51,19.5 55,19.5 59,19.5 63,19.5 67,19.5 71,19.5 75,19.5 9,23.5 21,23.5 25,23.5 29,23.5 33,23.5 37,23.5 42.6,24.8 28.9,24.9 27.5,26.1 65.5,26.1 43.9,26.2 25.3,26.7 61.4,26.9 3,27.5 19,27.5 35,27.5 39,27.5 47,27.5 51,27.5 55,27.5 75,27.5 83,27.5 72.5,28.1 59.2,28.3 63.6,28.3 43.9,28.5 33.5,29.2 71.3,29.2 20,29.3 25.3,29.7 61.4,29.7 42.6,29.9 44.1,29.9 46.8,29.9 80.1,30.15 82.8,30.15 21.6,30.3 20.4,30.4 55.2,30.5 57.9,30.5 42.6,31.2 78.7,31.25 84.2,31.25 81.45,31.275 25,31.5 49,31.5 61,31.5 56.575,31.6 59.3,31.6 80.1,32.35 82.8,32.35 3,35.5 7,35.5 11,35.5 79,35.5 76,36.8 78.8,36.8 77.4,38.6 5,39.5 9,39.5 77,39.5 81,39.5 7,43.5 11,43.5 13,47.5 81,47.5 79,51.5 83,51.5 5,55.5 9,55.5 81,55.5 79,59.5 83,59.5 81,63.5 85,63.5 89,63.5 93,63.5 97,63.5 101,63.5 105,63.5 109,63.5 113,63.5 117,63.5 121,63.5 125,63.5 129,63.5 133,63.5 137,63.5 141,63.5 145,63.5 149,63.5 153,63.5 157,63.5 161,63.5 165,63.5 169,63.5 173,63.5 177,63.5 181,63.5 185,63.5 189,63.5 193,63.5 197,63.5 201,63.5 205,63.5 209,63.5 213,63.5 217,63.5 3,67.5 7,67.5 207,67.5 211,67.5 215,67.5 9,71.5 209,71.5 213,71.5 217,71.5 211,75.5 215,75.5 209,79.5 213,79.5 217,79.5 211,83.5 215,83.5 209,87.5 213,87.5 217,87.5 211,91.5 215,91.5 219,91.5 223,91.5 227,91.5 231,91.5 225,95.5 229,95.5 233,95.5 63,99.5 227,99.5 231,99.5 89,103.5 113,103.5 117,103.5 121,103.5 125,103.5 129,103.5 133,103.5 137,103.5 225,103.5 229,103.5 233,103.5 25.75,106.5 26.75,106.5 27.75,106.5 28.75,106.5 7.9,106.6 12.8,106.7 25.75,107.5 26.75,107.5 27.75,107.5 28.75,107.5 31,107.5 35,107.5 39,107.5 43,107.5 47,107.5 51,107.5 55,107.5 59,107.5 63,107.5 67,107.5 71,107.5 75,107.5 79,107.5 83,107.5 87,107.5 91,107.5 111,107.5 115,107.5 123,107.5 127,107.5 223,107.5 25.75,108.5 26.75,108.5 27.75,108.5 25.75,109.5 26.75,109.5 27.75,109.5 7.7,109.7 14.8,110.1 25.75,110.5 26.75,110.5 27.75,110.5 25.75,111.5 113,111.5 117,111.5 121,111.5 125,111.5 133,111.5 137,111.5 221,111.5 229,111.5 25.75,112.5 25.75,113.5 25.75,114.5 15,115.5 25.75,115.5 115,115.5 119,115.5 123,115.5 135,115.5 219,115.5 227,115.5 231,115.5 25.75,116.5 25.75,117.5 25.75,118.5 5,119.5 9,119.5 13,119.5 21,119.5 25.75,119.5 117,119.5 121,119.5 125,119.5 133,119.5 137,119.5 221,119.5 229,119.5 233,119.5 25.75,120.5 25.75,121.5 25.75,122.5 7,123.5 11,123.5 15,123.5 25.75,123.5 27,123.5 28.25,123.5 115,123.5 123,123.5 131,123.5 135,123.5 219,123.5 227,123.5 25.75,124.5 27,124.5 28.25,124.5 25.75,125.5 27,125.5 28.25,125.5 25.75,126.5 27,126.5 28.25,126.5 5,127.5 9,127.5 13,127.5 21,127.5 25.75,127.5 27,127.5 28.25,127.5 221,127.5 229,127.5 233,127.5 114.4,128.4 25.75,128.5 27,128.5 28.25,128.5 120.1,128.7 117.1,128.9 25.75,129.5 27,129.5 28.25,129.5 118.8,130.1 25.75,130.5 27,130.5 28.25,130.5 3,131.5 7,131.5 25.75,131.5 27,131.5 28.25,131.5 115,131.5 119,131.5 227,131.5 231,131.5 25.75,132.5 88.5,132.5 98.3,132.5 99.9,132.5 101.4,132.5 103,132.5 104.5,132.5 106,132.5 90,133 25.75,133.5 96.3,133.6 25.75,134.5 88,134.5 90,134.5 11,134.6 15.5,134.7 5,135.5 25.75,135.5 37,135.5 41,135.5 45,135.5 49,135.5 53,135.5 61,135.5 65,135.5 69,135.5 73,135.5 77,135.5 85,135.5 89,135.5 141,135.5 145,135.5 157,135.5 189,135.5 197,135.5 201,135.5 209,135.5 213,135.5 221,135.5 26.75,135.75 27.75,135.75 28.75,135.75 29.75,135.75 90.5,136 13.3,136.3 25.75,136.5 89,136.5 26.25,137.25 27.25,137.5 28.25,137.5 29.25,137.5 116.7,139.4 3,139.5 7,139.5 115,139.5 119,139.5 231,139.5 18,139.7 13.3,140.9 23.3,141.7
  other v2: 118.6,107.7 125.4,107.7 113.2,108.2 131.5,110.6 123,111.9 136,113.6 117.7,114.7 131.5,116.1 137.6,121.7 132.7,122.6 119.7,122.8 149,135 132.2,136.4 151.3,137.4 124.7,139.2